# Altium PCB Copy of TempdevAmmy0923.PcbDoc (part 1 of 4) (continued)
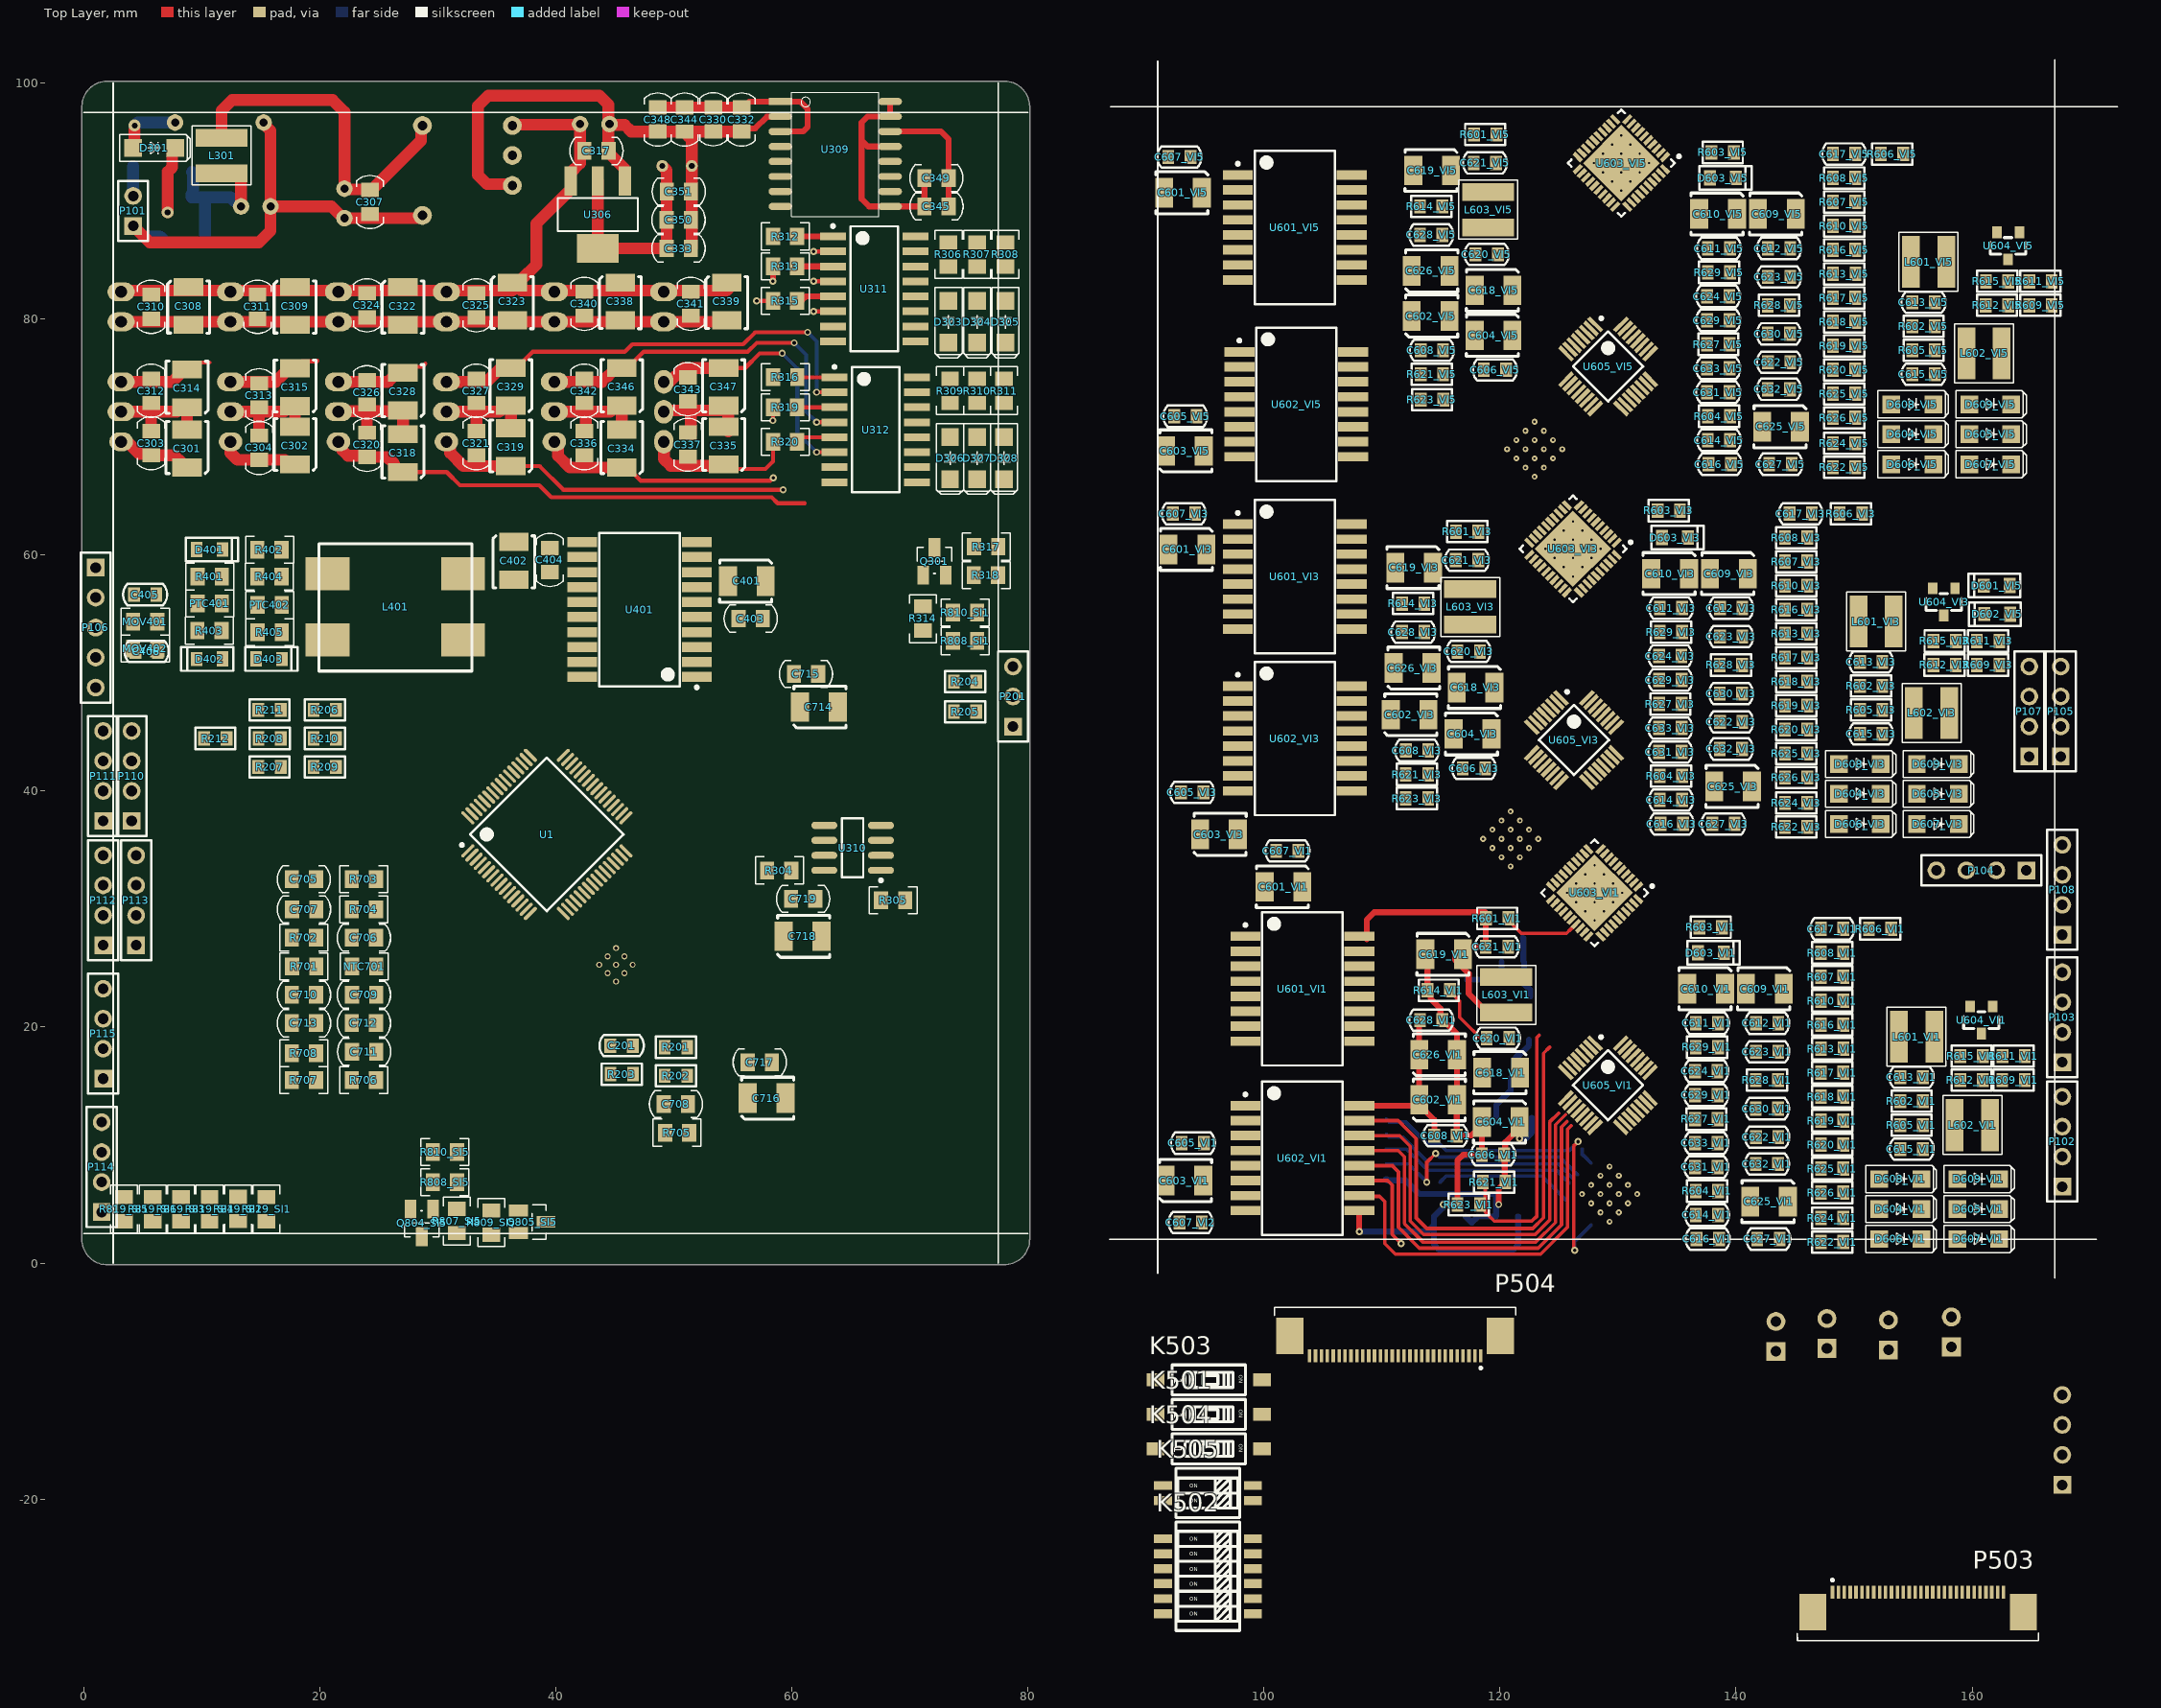
[diagram p0: Top Layer view]
## Components (designator, comment, footprint, x,y, rotation, side; value= is the part's Value field where it differs from the comment) (continued)
C604_VI2 "T494B106M006AHAUTO" CB 122.453,22.733 r90 bottom value=10uF (schematic designator C604)
C604_VI3 "T494B106M006AHAUTO" CB 119.278,44.831 r270 top value=10uF (schematic designator C604)
C604_VI4 "T494B106M006AHAUTO" CB 119.278,88.773 r90 bottom value=10uF (schematic designator C604)
C604_VI5 "T494B106M006AHAUTO" CB 121.056,78.613 r270 top value=10uF (schematic designator C604)
C604_VI6 "T494B106M006AHAUTO" CB 119.872,55.819 r90 bottom value=10uF (schematic designator C604)
C605_VI1 "CC0603KRX7R0BB104" 0603C 93.98,10.16 r0 top (schematic designator C605)
C605_VI2 "CC0603KRX7R0BB104" 0603C 102.682,36.576 r180 bottom (schematic designator C605)
C605_VI3 "CC0603KRX7R0BB104" 0603C 93.919,39.878 r0 top (schematic designator C605)
C605_VI4 "CC0603KRX7R0BB104" 0603C 93.472,91.567 r0 bottom (schematic designator C605)
C605_VI5 "CC0603KRX7R0BB104" 0603C 93.345,71.755 r0 top (schematic designator C605)
C605_VI6 "CC0603KRX7R0BB104" 0603C 93.431,58.486 r0 bottom (schematic designator C605)
C606_VI1 "CC0603KRX7R0BB104" 0603C 119.41,9.178 r180 top (schematic designator C606)
C606_VI2 "CC0603KRX7R0BB104" 0603C 121.097,25.527 r180 bottom (schematic designator C606)
C606_VI3 "CC0603KRX7R0BB104" 0603C 117.795,41.91 r180 top (schematic designator C606)
C606_VI4 "CC0603KRX7R0BB104" 0603C 117.795,91.694 r180 bottom (schematic designator C606)
C606_VI5 "CC0603KRX7R0BB104" 0603C 119.573,75.692 r180 top (schematic designator C606)
C606_VI6 "CC0603KRX7R0BB104" 0603C 118.389,58.74 r180 bottom (schematic designator C606)
C607_VI1 "CC0603KRX7R0BB104" 0603C 101.981,34.925 r180 top (schematic designator C607)
C607_VI2 "CC0603KRX7R0BB104" 0603C 93.792,3.429 r0 top (schematic designator C607)
C607_VI3 "CC0603KRX7R0BB104" 0603C 93.218,63.5 r180 top (schematic designator C607)
C607_VI4 "CC0603KRX7R0BB104" 0603C 93.98,74.676 r0 bottom (schematic designator C607)
C607_VI5 "CC0603KRX7R0BB104" 0603C 92.837,93.726 r180 top (schematic designator C607)
C607_VI6 "CC0603KRX7R0BB104" 0603C 94.041,47.244 r0 bottom (schematic designator C607)
C608_VI1 "CC0603KRX7R0BB104" 0603C 115.382,10.795 r0 top (schematic designator C608)
C608_VI2 "CC0603KRX7R0BB104" 0603C 116.271,24.003 r0 bottom (schematic designator C608)
C608_VI3 "CC0603KRX7R0BB104" 0603C 112.969,43.434 r0 top (schematic designator C608)
C608_VI4 "CC0603KRX7R0BB104" 0603C 112.969,90.17 r0 bottom (schematic designator C608)
C608_VI5 "CC0603KRX7R0BB104" 0603C 114.234,77.343 r0 top (schematic designator C608)
C608_VI6 "CC0603KRX7R0BB104" 0603C 113.563,57.216 r0 bottom (schematic designator C608)
C609_VI1 "T494B476K025ATAUTO" CB 144.043,23.241 r270 top value=47uF (schematic designator C609)
C609_VI2 "T494B476K025ATAUTO" CB 143.916,7.112 r90 bottom value=47uF (schematic designator C609)
C609_VI3 "T494B476K025ATAUTO" CB 140.995,58.42 r270 top value=47uF (schematic designator C609)
C609_VI4 "T494B476K025ATAUTO" CB 144.932,73.025 r90 bottom value=47uF (schematic designator C609)
C609_VI5 "T494B476K025ATAUTO" CB 145.059,88.9 r270 top value=47uF (schematic designator C609)
C609_VI6 "T494B476K025ATAUTO" CB 140.573,42.23 r90 bottom value=47uF (schematic designator C609)
C610_VI1 "T494B476K025ATAUTO" CB 139.065,23.241 r270 top value=47uF (schematic designator C610)
C610_VI2 "T494B476K025ATAUTO" CB 138.938,7.112 r90 bottom value=47uF (schematic designator C610)
C610_VI3 "T494B476K025ATAUTO" CB 136.017,58.42 r270 top value=47uF (schematic designator C610)
C610_VI4 "T494B476K025ATAUTO" CB 139.954,73.025 r90 bottom value=47uF (schematic designator C610)
C610_VI5 "T494B476K025ATAUTO" CB 140.081,88.9 r270 top value=47uF (schematic designator C610)
C610_VI6 "T494B476K025ATAUTO" CB 135.595,42.23 r90 bottom value=47uF (schematic designator C610)
C611_VI1 "CC0603KRX7R0BB104" 0603C 137.541,20.32 r0 top (schematic designator C611)
C611_VI2 "CC0603KRX7R0BB104" 0603C 137.414,10.033 r0 bottom (schematic designator C611)
C611_VI3 "CC0603KRX7R0BB104" 0603C 134.493,55.499 r0 top (schematic designator C611)
C611_VI4 "CC0603KRX7R0BB104" 0603C 138.43,75.946 r0 bottom (schematic designator C611)
C611_VI5 "CC0603KRX7R0BB104" 0603C 138.557,85.979 r0 top (schematic designator C611)
C611_VI6 "CC0603KRX7R0BB104" 0603C 134.071,45.151 r0 bottom (schematic designator C611)
C612_VI1 "CC0603KRX7R0BB104" 0603C 142.637,20.32 r180 top (schematic designator C612)
C612_VI2 "CC0603KRX7R0BB104" 0603C 142.51,10.033 r180 bottom (schematic designator C612)
C612_VI3 "CC0603KRX7R0BB104" 0603C 139.589,55.499 r180 top (schematic designator C612)
C612_VI4 "CC0603KRX7R0BB104" 0603C 143.526,75.946 r180 bottom (schematic designator C612)
C612_VI5 "CC0603KRX7R0BB104" 0603C 143.653,85.979 r180 top (schematic designator C612)
C612_VI6 "CC0603KRX7R0BB104" 0603C 139.167,45.151 r180 bottom (schematic designator C612)
C613_VI1 "CC0603KRX7R7BB225" 0603C 154.874,15.748 r180 top (schematic designator C613)
C613_VI2 "CC0603KRX7R7BB225" 0603C 154.747,14.605 r180 bottom (schematic designator C613)
C613_VI3 "CC0603KRX7R7BB225" 0603C 151.445,50.927 r180 top (schematic designator C613)
C613_VI4 "CC0603KRX7R7BB225" 0603C 155.763,80.518 r180 bottom (schematic designator C613)
C613_VI5 "CC0603KRX7R7BB225" 0603C 155.89,81.407 r180 top (schematic designator C613)
C613_VI6 "CC0603KRX7R7BB225" 0603C 151.404,49.723 r180 bottom (schematic designator C613)
C614_VI1 "CC0603KRX7R9BB223" 0603C 137.541,4.064 r180 top (schematic designator C614)
C614_VI2 "CC0603KRX7R9BB223" 0603C 137.414,26.289 r180 bottom (schematic designator C614)
C614_VI3 "CC0603KRX7R9BB223" 0603C 134.493,39.243 r180 top (schematic designator C614)
C614_VI4 "CC0603KRX7R9BB223" 0603C 138.43,92.202 r180 bottom (schematic designator C614)
C614_VI5 "CC0603KRX7R9BB223" 0603C 138.557,69.723 r180 top (schematic designator C614)
C614_VI6 "CC0603KRX7R9BB223" 0603C 134.071,61.407 r180 bottom (schematic designator C614)
C615_VI1 "CC0603KRX7R7BB225" 0603C 154.874,9.652 r180 top (schematic designator C615)
C615_VI2 "CC0603KRX7R7BB225" 0603C 154.747,20.701 r180 bottom (schematic designator C615)
C615_VI3 "CC0603KRX7R7BB225" 0603C 151.445,44.831 r180 top (schematic designator C615)
C615_VI4 "CC0603KRX7R7BB225" 0603C 155.763,86.614 r180 bottom (schematic designator C615)
C615_VI5 "CC0603KRX7R7BB225" 0603C 155.89,75.311 r180 top (schematic designator C615)
C615_VI6 "CC0603KRX7R7BB225" 0603C 151.404,55.819 r180 bottom (schematic designator C615)
C616_VI1 "" 0603C 137.602,2.032 r0 top (schematic designator C616)
C616_VI2 "" 0603C 137.475,28.321 r0 bottom (schematic designator C616)
C616_VI3 "" 0603C 134.554,37.211 r0 top (schematic designator C616)
C616_VI4 "" 0603C 138.491,94.234 r0 bottom (schematic designator C616)
C616_VI5 "" 0603C 138.618,67.691 r0 top (schematic designator C616)
C616_VI6 "" 0603C 134.132,63.439 r0 bottom (schematic designator C616)
C617_VI1 "CC0603KRX7R9BB472" 0603C 148.143,28.321 r180 top (schematic designator C617)
C617_VI2 "CC0603KRX7R9BB472" 0603C 148.016,2.032 r180 bottom (schematic designator C617)
C617_VI3 "CC0603KRX7R9BB472" 0603C 145.476,63.5 r180 top (schematic designator C617)
C617_VI4 "CC0603KRX7R9BB472" 0603C 149.032,67.945 r180 bottom (schematic designator C617)
C617_VI5 "CC0603KRX7R9BB472" 0603C 149.159,93.98 r180 top (schematic designator C617)
C617_VI6 "CC0603KRX7R9BB472" 0603C 144.673,37.15 r180 bottom (schematic designator C617)
C618_VI1 "T494B106M006AHAUTO" CB 121.691,16.129 r270 top value=10uF (schematic designator C618)
C618_VI2 "T494B106M006AHAUTO" CB 122.453,18.923 r90 bottom value=10uF (schematic designator C618)
C618_VI3 "T494B106M006AHAUTO" CB 119.532,48.768 r270 top value=10uF (schematic designator C618)
C618_VI4 "T494B106M006AHAUTO" CB 119.278,84.963 r90 bottom value=10uF (schematic designator C618)
C618_VI5 "T494B106M006AHAUTO" CB 121.056,82.423 r270 top value=10uF (schematic designator C618)
C618_VI6 "T494B106M006AHAUTO" CB 119.872,52.009 r90 bottom value=10uF (schematic designator C618)
C619_VI1 "T494B106M006AHAUTO" CB 116.865,26.162 r270 top value=10uF (schematic designator C619)
C619_VI2 "T494B106M006AHAUTO" CB 117.602,3.429 r90 bottom value=10uF (schematic designator C619)
C619_VI3 "T494B106M006AHAUTO" CB 114.325,58.928 r270 top value=10uF (schematic designator C619)
C619_VI4 "T494B106M006AHAUTO" CB 114.071,74.803 r90 bottom value=10uF (schematic designator C619)
C619_VI5 "T494B106M006AHAUTO" CB 115.849,92.583 r270 top value=10uF (schematic designator C619)
C619_VI6 "T494B106M006AHAUTO" CB 114.665,41.849 r90 bottom value=10uF (schematic designator C619)
C620_VI1 "CC0603KRX7R0BB104" 0603C 119.827,19.05 r180 top (schematic designator C620)
C620_VI2 "CC0603KRX7R0BB104" 0603C 120.203,15.875 r180 bottom (schematic designator C620)
C620_VI3 "CC0603KRX7R0BB104" 0603C 117.348,51.816 r180 top (schematic designator C620)
C620_VI4 "CC0603KRX7R0BB104" 0603C 117.094,81.915 r180 bottom (schematic designator C620)
C620_VI5 "CC0603KRX7R0BB104" 0603C 118.872,85.471 r180 top (schematic designator C620)
C620_VI6 "CC0603KRX7R0BB104" 0603C 117.688,48.961 r180 bottom (schematic designator C620)
C621_VI1 "CC0603KRX7R0BB104" 0603C 119.745,26.797 r0 top (schematic designator C621)
C621_VI2 "CC0603KRX7R0BB104" 0603C 120.584,3.937 r0 bottom (schematic designator C621)
C621_VI3 "CC0603KRX7R0BB104" 0603C 117.205,59.563 r0 top (schematic designator C621)
C621_VI4 "CC0603KRX7R0BB104" 0603C 116.951,74.168 r0 bottom (schematic designator C621)
C621_VI5 "CC0603KRX7R0BB104" 0603C 118.729,93.218 r0 top (schematic designator C621)
C621_VI6 "CC0603KRX7R0BB104" 0603C 113.604,38.989 r180 bottom (schematic designator C621)
C622_VI1 "" 0603C 142.637,10.668 r180 top (schematic designator C622)
C622_VI2 "" 0603C 142.51,19.685 r180 bottom (schematic designator C622)
C622_VI3 "" 0603C 139.589,45.847 r180 top (schematic designator C622)
C622_VI4 "" 0603C 143.526,85.598 r180 bottom (schematic designator C622)
C622_VI5 "" 0603C 143.653,76.327 r180 top (schematic designator C622)
C622_VI6 "" 0603C 139.167,54.803 r180 bottom (schematic designator C622)
C623_VI1 "" 0603C 142.637,17.907 r180 top (schematic designator C623)
C623_VI2 "" 0603C 142.51,12.446 r180 bottom (schematic designator C623)
C623_VI3 "" 0603C 139.589,53.086 r180 top (schematic designator C623)
C623_VI4 "" 0603C 143.526,78.359 r180 bottom (schematic designator C623)
C623_VI5 "" 0603C 143.653,83.566 r180 top (schematic designator C623)
C623_VI6 "" 0603C 139.167,47.564 r180 bottom (schematic designator C623)
C624_VI1 "CC0603GRNPO9BN301" 0603C 137.475,16.256 r180 top (schematic designator C624)
C624_VI2 "CC0603GRNPO9BN301" 0603C 137.348,14.097 r180 bottom (schematic designator C624)
C624_VI3 "CC0603GRNPO9BN301" 0603C 134.427,51.435 r180 top (schematic designator C624)
C624_VI4 "CC0603GRNPO9BN301" 0603C 138.364,80.01 r180 bottom (schematic designator C624)
C624_VI5 "CC0603GRNPO9BN301" 0603C 138.491,81.915 r180 top (schematic designator C624)
C624_VI6 "CC0603GRNPO9BN301" 0603C 134.005,49.215 r180 bottom (schematic designator C624)
C625_VI1 "T494B106M006AHAUTO" CB 144.399,5.207 r270 top value=10uF (schematic designator C625)
C625_VI2 "T494B106M006AHAUTO" CB 144.272,25.146 r90 bottom value=10uF (schematic designator C625)
C625_VI3 "T494B106M006AHAUTO" CB 141.351,40.386 r270 top value=10uF (schematic designator C625)
C625_VI4 "T494B106M006AHAUTO" CB 145.288,91.059 r90 bottom value=10uF (schematic designator C625)
C625_VI5 "T494B106M006AHAUTO" CB 145.415,70.866 r270 top value=10uF (schematic designator C625)
C625_VI6 "T494B106M006AHAUTO" CB 140.929,60.264 r90 bottom value=10uF (schematic designator C625)
C626_VI1 "T494B106M006AHAUTO" CB 113.157,17.653 r90 top value=10uF (schematic designator C626)
C626_VI2 "T494B106M006AHAUTO" CB 113.792,17.145 r270 bottom value=10uF (schematic designator C626)
C626_VI3 "T494B106M006AHAUTO" CB 110.998,50.419 r90 top value=10uF (schematic designator C626)
C626_VI4 "T494B106M006AHAUTO" CB 110.744,83.312 r270 bottom value=10uF (schematic designator C626)
C626_VI5 "T494B106M006AHAUTO" CB 112.522,84.074 r90 top value=10uF (schematic designator C626)
C626_VI6 "T494B106M006AHAUTO" CB 111.338,50.358 r270 bottom value=10uF (schematic designator C626)
C627_VI1 "CC0603KRX7R0BB104" 0603C 142.748,2.032 r180 top (schematic designator C627)
C627_VI2 "CC0603KRX7R0BB104" 0603C 142.621,28.321 r180 bottom (schematic designator C627)
C627_VI3 "CC0603KRX7R0BB104" 0603C 138.938,37.211 r180 top (schematic designator C627)
C627_VI4 "CC0603KRX7R0BB104" 0603C 143.637,94.234 r180 bottom (schematic designator C627)
C627_VI5 "CC0603KRX7R0BB104" 0603C 143.764,67.691 r180 top (schematic designator C627)
C627_VI6 "CC0603KRX7R0BB104" 0603C 139.278,63.439 r180 bottom (schematic designator C627)
C628_VI1 "CC0603KRX7R0BB104" 0603C 114.173,20.574 r0 top (schematic designator C628)
C628_VI2 "CC0603KRX7R0BB104" 0603C 114.62,13.97 r0 bottom (schematic designator C628)
C628_VI3 "CC0603KRX7R0BB104" 0603C 112.649,53.467 r0 top (schematic designator C628)
C628_VI4 "CC0603KRX7R0BB104" 0603C 112.395,80.264 r0 bottom (schematic designator C628)
C628_VI5 "CC0603KRX7R0BB104" 0603C 114.173,87.122 r0 top (schematic designator C628)
C628_VI6 "CC0603KRX7R0BB104" 0603C 112.989,47.31 r0 bottom (schematic designator C628)
C629_VI1 "CC0603FRNPO9BN151" 0603C 137.48,14.224 r180 top (schematic designator C629)
C629_VI2 "CC0603FRNPO9BN151" 0603C 137.353,16.129 r180 bottom (schematic designator C629)
C629_VI3 "CC0603FRNPO9BN151" 0603C 134.432,49.403 r180 top (schematic designator C629)
C629_VI4 "CC0603FRNPO9BN151" 0603C 138.369,82.042 r180 bottom (schematic designator C629)
C629_VI5 "CC0603FRNPO9BN151" 0603C 138.496,79.883 r180 top (schematic designator C629)
C629_VI6 "CC0603FRNPO9BN151" 0603C 134.01,51.247 r180 bottom (schematic designator C629)
C630_VI1 "CC0603KRX7R7BB105" 0603C 142.621,13.081 r180 top (schematic designator C630)
C630_VI2 "CC0603KRX7R7BB105" 0603C 142.494,17.272 r180 bottom (schematic designator C630)
C630_VI3 "CC0603KRX7R7BB105" 0603C 139.573,48.26 r180 top (schematic designator C630)
C630_VI4 "CC0603KRX7R7BB105" 0603C 143.51,83.185 r180 bottom (schematic designator C630)
C630_VI5 "CC0603KRX7R7BB105" 0603C 143.637,78.74 r180 top (schematic designator C630)
C630_VI6 "CC0603KRX7R7BB105" 0603C 139.151,52.39 r180 bottom (schematic designator C630)
C631_VI1 "AC0603KRX7R8BB472" 0603C 137.48,8.128 r180 top (schematic designator C631)
C631_VI2 "AC0603KRX7R8BB472" 0603C 137.353,22.225 r180 bottom (schematic designator C631)
C631_VI3 "AC0603KRX7R8BB472" 0603C 134.432,43.307 r180 top (schematic designator C631)
C631_VI4 "AC0603KRX7R8BB472" 0603C 138.369,88.138 r180 bottom (schematic designator C631)
C631_VI5 "AC0603KRX7R8BB472" 0603C 138.496,73.787 r180 top (schematic designator C631)
C631_VI6 "AC0603KRX7R8BB472" 0603C 134.01,57.343 r180 bottom (schematic designator C631)
C632_VI1 "CC0603KRX7R7BB105" 0603C 142.621,8.382 r0 top (schematic designator C632)
C632_VI2 "CC0603KRX7R7BB105" 0603C 142.494,21.971 r0 bottom (schematic designator C632)
C632_VI3 "CC0603KRX7R7BB105" 0603C 139.573,43.561 r0 top (schematic designator C632)
C632_VI4 "CC0603KRX7R7BB105" 0603C 143.51,87.884 r0 bottom (schematic designator C632)
C632_VI5 "CC0603KRX7R7BB105" 0603C 143.637,74.041 r0 top (schematic designator C632)
C632_VI6 "CC0603KRX7R7BB105" 0603C 139.151,57.089 r0 bottom (schematic designator C632)
C633_VI1 "CC0603KRX7R9BB223" 0603C 137.48,10.16 r0 top (schematic designator C633)
C633_VI2 "CC0603KRX7R9BB223" 0603C 137.353,20.193 r0 bottom (schematic designator C633)
C633_VI3 "CC0603KRX7R9BB223" 0603C 134.432,45.339 r0 top (schematic designator C633)
C633_VI4 "CC0603KRX7R9BB223" 0603C 138.369,86.106 r0 bottom (schematic designator C633)
C633_VI5 "CC0603KRX7R9BB223" 0603C 138.496,75.819 r0 top (schematic designator C633)
C633_VI6 "CC0603KRX7R9BB223" 0603C 134.01,55.311 r0 bottom (schematic designator C633)
C701 "T494B106M006AHAUTO" CB 72.771,47.609 r0 bottom value=10uF
C702 "T494B106M006AHAUTO" CB 72.771,45.196 r180 bottom value=10uF
C703 "CC0805MRX7R9BB104" 0805C 69.596,50.784 r90 bottom value=0.1uF
C704 "CC0805MRX7R9BB104" 0805C 69.596,42.148 r270 bottom value=0.1uF
C705 "CC0805MRX7R9BB103" 0805C 18.653,32.512 r0 top value=0.01uF
C706 "CC0805MRX7R9BB104" 0805C 23.749,27.559 r180 top value=0.1uF
C707 "CC0805MRX7R9BB103" 0805C 18.669,29.972 r0 top value=0.01uF
C708 "CC0805MRX7R9BB104" 0805C 50.181,13.462 r180 top value=0.1uF
C709 "CC0805MRX7R9BB104" 0805C 23.749,22.733 r0 top value=0.1uF
C710 "CC0805MRX7R9BB104" 0805C 18.669,22.733 r180 top value=0.1uF
C711 "CC0805MRX7R9BB103" 0805C 23.765,17.907 r180 top value=0.01uF
C712 "CC0805MRX7R9BB104" 0805C 23.749,20.32 r180 top value=0.1uF
C713 "CC0805MRX7R9BB103" 0805C 18.669,20.32 r180 top value=0.01uF
C714 "T494B106M006AHAUTO" CB 60.69,47.117 r90 top value=10uF
C715 "CC0805MRX7R9BB104" 0805C 61.198,49.911 r0 top value=0.1uF
C716 "T494B106M006AHAUTO" CB 56.261,13.97 r90 top value=10uF
C717 "CC0805MRX7R9BB104" 0805C 57.277,17.018 r0 top value=0.1uF
C718 "T494B106M006AHAUTO" CB 59.309,27.686 r90 top value=10uF
C719 "CC0805MRX7R9BB104" 0805C 60.96,30.861 r0 top value=0.1uF
C801_SI1 "CC0805MRX7R9BB103" 0805C 44.704,61.468 r0 bottom value=0.01uF (schematic designator C801)
C801_SI2 "CC0805MRX7R9BB103" 0805C 3.794,57.912 r0 bottom value=0.01uF (schematic designator C801)
C801_SI3 "CC0805MRX7R9BB103" 0805C 8.636,35.814 r0 bottom value=0.01uF (schematic designator C801)
C801_SI4 "CC0805MRX7R9BB103" 0805C 6.969,47.371 r0 bottom value=0.01uF (schematic designator C801)
C801_SI5 "CC0805MRX7R9BB103" 0805C 5.207,10.287 r0 bottom value=0.01uF (schematic designator C801)
C801_SI6 "CC0805MRX7R9BB103" 0805C 5.334,23.368 r0 bottom value=0.01uF (schematic designator C801)
C802_SI1 "CC0805MRX7R9BB103" 0805C 58.563,57.531 r180 bottom value=0.01uF (schematic designator C802)
C802_SI2 "CC0805MRX7R9BB103" 0805C 16.256,57.15 r180 bottom value=0.01uF (schematic designator C802)
C802_SI3 "CC0805MRX7R9BB103" 0805C 22.671,32.263 r180 bottom value=0.01uF (schematic designator C802)
C802_SI4 "CC0805MRX7R9BB103" 0805C 20.463,44.45 r180 bottom value=0.01uF (schematic designator C802)
C802_SI5 "CC0805MRX7R9BB103" 0805C 19.574,7.239 r180 bottom value=0.01uF (schematic designator C802)
C802_SI6 "CC0805MRX7R9BB103" 0805C 19.574,20.193 r180 bottom value=0.01uF (schematic designator C802)
C803_SI1 "CC0805MRX7R9BB103" 0805C 58.563,55.372 r0 bottom value=0.01uF (schematic designator C803)
C803_SI2 "CC0805MRX7R9BB103" 0805C 16.256,54.737 r0 bottom value=0.01uF (schematic designator C803)
C803_SI3 "CC0805MRX7R9BB103" 0805C 22.655,29.85 r0 bottom value=0.01uF (schematic designator C803)
C803_SI4 "CC0805MRX7R9BB103" 0805C 20.447,42.164 r0 bottom value=0.01uF (schematic designator C803)
C803_SI5 "CC0805MRX7R9BB103" 0805C 19.558,4.953 r0 bottom value=0.01uF (schematic designator C803)
C803_SI6 "CC0805MRX7R9BB103" 0805C 19.558,17.907 r0 bottom value=0.01uF (schematic designator C803)
C804_SI1 "CC0805MRX7R9BB104" 0805C 58.547,53.213 r0 bottom value=0.1uF (schematic designator C804)
C804_SI2 "CC0805MRX7R9BB104" 0805C 16.256,52.451 r0 bottom value=0.1uF (schematic designator C804)
C804_SI3 "CC0805MRX7R9BB104" 0805C 22.655,27.564 r0 bottom value=0.1uF (schematic designator C804)
C804_SI4 "CC0805MRX7R9BB104" 0805C 20.447,39.878 r0 bottom value=0.1uF (schematic designator C804)
C804_SI5 "CC0805MRX7R9BB104" 0805C 19.558,2.54 r0 bottom value=0.1uF (schematic designator C804)
C804_SI6 "CC0805MRX7R9BB104" 0805C 19.558,15.621 r0 bottom value=0.1uF (schematic designator C804)
C805_SI1 "CC0805MRX7R9BB103" 0805C 63.119,53.213 r0 bottom value=0.01uF (schematic designator C805)
C805_SI2 "CC0805MRX7R9BB103" 0805C 20.828,52.451 r0 bottom value=0.01uF (schematic designator C805)
C805_SI3 "CC0805MRX7R9BB103" 0805C 27.178,27.559 r0 bottom value=0.01uF (schematic designator C805)
C805_SI4 "CC0805MRX7R9BB103" 0805C 25.146,39.878 r0 bottom value=0.01uF (schematic designator C805)
C805_SI5 "CC0805MRX7R9BB103" 0805C 24.13,2.54 r0 bottom value=0.01uF (schematic designator C805)
C805_SI6 "CC0805MRX7R9BB103" 0805C 24.13,15.621 r0 bottom value=0.01uF (schematic designator C805)
D201 "BAT54WS" SOD323 69.993,14.859 r0 bottom
D202 "BAT54WS" SOD323 69.993,12.573 r0 bottom
D203 "BAT54WS" SOD323 69.993,10.287 r0 bottom
D204 "BAT54WS" SOD323 69.993,3.556 r0 bottom
D205 "BAT54WS" SOD323 69.993,8.001 r0 bottom
D206 "BAT54WS" SOD323 69.993,5.715 r0 bottom
D301 "1N5819HW" SOD123 5.969,94.488 r0 top
D302 "1N5819HW" SOD123 8.509,86.741 r0 bottom
D303 "BAT41" SOD123 73.279,79.756 r270 top
D304 "BAT41" SOD123 75.692,79.756 r270 top
D305 "BAT41" SOD123 78.105,79.756 r270 top
D306 "BAT41" SOD123 73.406,68.199 r270 top
D307 "BAT41" SOD123 75.692,68.199 r270 top
D308 "BAT41" SOD123 77.978,68.199 r270 top
D401 "SD15CT1" SOD323 10.668,60.452 r180 top
D402 "SD15CT1" SOD323 10.668,51.181 r0 top
D403 "SD15CT1" SOD323 15.705,51.181 r180 top
D501 "SD15CT1" SOD323 163.492,-18.415 r180 bottom
D502 "BAT54WS" SOD323 164.508,-30.861 r0 bottom
D503 "SD15CT1" SOD323 163.873,-16.002 r0 bottom
D504 "BZX584C3V3" SOD523 159.474,-28.575 r0 bottom
D505 "BZX584C3V3" SOD523 155.156,-28.575 r180 bottom
D506 "SD15CT1" SOD323 163.83,-13.462 r0 bottom
D507 "BAT54WS" SOD323 158.793,-18.288 r180 bottom
D508 "150080GS75000" LED-3 158.242,-5.842 r270 bottom
D509 "150080GS75000" LED-3 152.908,-6.096 r270 bottom
D510 "150080GS75000" LED-3 147.701,-5.969 r270 bottom
D511 "150080GS75000" LED-3 143.383,-6.223 r270 bottom
D512 "BAT54WS" SOD323 138.049,-4.953 r180 bottom
D513 "BAT54WS" SOD323 122.301,-28.575 r90 bottom
D514 "BAT54WS" SOD323 138.006,-12.573 r180 bottom
D601_VI1 "SD15CT1" SOD323 163.619,4.699 r0 bottom (schematic designator D601)
D601_VI2 "SD15CT1" SOD323 162.052,20.193 r0 bottom (schematic designator D601)
D601_VI3 "SD15CT1" SOD323 161.079,35.306 r0 bottom (schematic designator D601)
D601_VI4 "SD15CT1" SOD323 166.286,53.848 r0 bottom (schematic designator D601)
D601_VI5 "SD15CT1" SOD323 162.095,57.404 r0 top (schematic designator D601)
D601_VI6 "SD15CT1" SOD323 166.581,40.259 r0 bottom (schematic designator D601)
D602_VI1 "SD15CT1" SOD323 163.66,2.286 r0 bottom (schematic designator D602)
D602_VI2 "SD15CT1" SOD323 162.095,17.907 r0 bottom (schematic designator D602)
D602_VI3 "SD15CT1" SOD323 161.079,37.592 r0 bottom (schematic designator D602)
D602_VI4 "SD15CT1" SOD323 166.327,56.261 r0 bottom (schematic designator D602)
D602_VI5 "SD15CT1" SOD323 162.136,54.991 r0 top (schematic designator D602)
D602_VI6 "SD15CT1" SOD323 166.581,37.973 r0 bottom (schematic designator D602)
D603_VI1 "SD15CT1" SOD323 137.879,26.289 r180 top (schematic designator D603)
D603_VI2 "SD15CT1" SOD323 137.752,4.064 r180 bottom (schematic designator D603)
D603_VI3 "SD15CT1" SOD323 134.831,61.468 r180 top (schematic designator D603)
D603_VI4 "SD15CT1" SOD323 138.768,69.977 r180 bottom (schematic designator D603)
D603_VI5 "SD15CT1" SOD323 138.895,91.948 r180 top (schematic designator D603)
D603_VI6 "SD15CT1" SOD323 134.409,39.182 r180 bottom (schematic designator D603)
D604_VI1 "1N5819HW" SOD123 153.924,4.572 r0 top (schematic designator D604)
D604_VI2 "1N5819HW" SOD123 153.797,25.781 r0 bottom (schematic designator D604)
D604_VI3 "1N5819HW" SOD123 150.495,39.751 r0 top (schematic designator D604)
D604_VI4 "1N5819HW" SOD123 154.813,91.694 r0 bottom (schematic designator D604)
D604_VI5 "1N5819HW" SOD123 154.94,70.231 r0 top (schematic designator D604)
D604_VI6 "1N5819HW" SOD123 150.454,60.899 r0 bottom (schematic designator D604)
D605_VI1 "1N5819HW" SOD123 160.528,4.572 r0 top (schematic designator D605)
D605_VI2 "1N5819HW" SOD123 160.401,25.781 r0 bottom (schematic designator D605)
D605_VI3 "1N5819HW" SOD123 157.099,39.751 r0 top (schematic designator D605)
D605_VI4 "1N5819HW" SOD123 161.417,91.694 r0 bottom (schematic designator D605)
D605_VI5 "1N5819HW" SOD123 161.544,70.231 r0 top (schematic designator D605)
D605_VI6 "1N5819HW" SOD123 157.058,60.899 r0 bottom (schematic designator D605)
D606_VI1 "1N5819HW" SOD123 153.924,2.032 r0 top (schematic designator D606)
D606_VI2 "1N5819HW" SOD123 153.797,28.321 r0 bottom (schematic designator D606)
D606_VI3 "1N5819HW" SOD123 150.495,37.211 r0 top (schematic designator D606)
D606_VI4 "1N5819HW" SOD123 154.813,94.234 r0 bottom (schematic designator D606)
D606_VI5 "1N5819HW" SOD123 154.94,67.691 r0 top (schematic designator D606)
D606_VI6 "1N5819HW" SOD123 150.454,63.439 r0 bottom (schematic designator D606)
D607_VI1 "1N5819HW" SOD123 160.528,2.032 r0 top (schematic designator D607)
D607_VI2 "1N5819HW" SOD123 160.401,28.321 r0 bottom (schematic designator D607)
D607_VI3 "1N5819HW" SOD123 157.099,37.211 r0 top (schematic designator D607)
D607_VI4 "1N5819HW" SOD123 161.417,94.234 r0 bottom (schematic designator D607)
D607_VI5 "1N5819HW" SOD123 161.544,67.691 r0 top (schematic designator D607)
D607_VI6 "1N5819HW" SOD123 157.058,63.439 r0 bottom (schematic designator D607)
D608_VI1 "1N5819HW" SOD123 153.924,7.112 r0 top (schematic designator D608)
D608_VI2 "1N5819HW" SOD123 153.797,23.241 r0 bottom (schematic designator D608)
D608_VI3 "1N5819HW" SOD123 150.495,42.291 r0 top (schematic designator D608)
D608_VI4 "1N5819HW" SOD123 154.813,89.154 r0 bottom (schematic designator D608)
D608_VI5 "1N5819HW" SOD123 154.94,72.771 r0 top (schematic designator D608)
D608_VI6 "1N5819HW" SOD123 150.454,58.359 r0 bottom (schematic designator D608)
D609_VI1 "1N5819HW" SOD123 160.528,7.112 r0 top (schematic designator D609)
D609_VI2 "1N5819HW" SOD123 160.401,23.241 r0 bottom (schematic designator D609)
D609_VI3 "1N5819HW" SOD123 157.099,42.291 r0 top (schematic designator D609)
D609_VI4 "1N5819HW" SOD123 161.417,89.154 r0 bottom (schematic designator D609)
D609_VI5 "1N5819HW" SOD123 161.544,72.771 r0 top (schematic designator D609)
D609_VI6 "1N5819HW" SOD123 157.058,58.359 r0 bottom (schematic designator D609)
D801_SI1 "SD03C" SOD323 44.788,59.309 r180 bottom (schematic designator D801)
D801_SI2 "SD03C" SOD323 3.767,60.198 r180 bottom (schematic designator D801)
D801_SI3 "SD03C" SOD323 8.552,33.528 r180 bottom (schematic designator D801)
D801_SI4 "SD03C" SOD323 7.053,45.085 r180 bottom (schematic designator D801)
D801_SI5 "SD03C" SOD323 5.291,7.874 r180 bottom (schematic designator D801)
D801_SI6 "SD03C" SOD323 5.418,21.082 r180 bottom (schematic designator D801)
D802_SI1 "SD03C" SOD323 53.594,55.372 r180 bottom (schematic designator D802)
D802_SI2 "SD03C" SOD323 11.641,54.737 r180 bottom (schematic designator D802)
D802_SI3 "SD03C" SOD323 17.864,29.845 r180 bottom (schematic designator D802)
D802_SI4 "SD03C" SOD323 15.832,42.164 r180 bottom (schematic designator D802)
D802_SI5 "SD03C" SOD323 14.816,4.826 r180 bottom (schematic designator D802)
D802_SI6 "SD03C" SOD323 14.816,17.907 r180 bottom (schematic designator D802)
D803_SI1 "SD03C" SOD323 49.36,55.372 r0 bottom (schematic designator D803)
D803_SI2 "SD03C" SOD323 7.704,54.737 r0 bottom (schematic designator D803)
D803_SI3 "SD03C" SOD323 13.292,29.845 r0 bottom (schematic designator D803)
D803_SI4 "SD03C" SOD323 11.514,42.164 r0 bottom (schematic designator D803)
D803_SI5 "SD03C" SOD323 10.371,4.826 r0 bottom (schematic designator D803)
D803_SI6 "SD03C" SOD323 10.244,17.907 r0 bottom (schematic designator D803)
D804_SI1 "SD03C" SOD323 44.831,57.15 r0 bottom (schematic designator D804)
D804_SI2 "SD03C" SOD323 3.726,54.737 r0 bottom (schematic designator D804)
D804_SI3 "SD03C" SOD323 8.847,29.845 r0 bottom (schematic designator D804)
D804_SI4 "SD03C" SOD323 7.139,42.164 r0 bottom (schematic designator D804)
D804_SI5 "SD03C" SOD323 5.25,4.826 r0 bottom (schematic designator D804)
D804_SI6 "SD03C" SOD323 5.545,17.907 r0 bottom (schematic designator D804)
Designator6 "Comment" 3-1734839-0 76.913,41.245 r270 bottom
Designator7 "Comment" 3-1734839-0 76.962,21.292 r270 bottom
Designator8 "Comment" 3-1734839-0 93.472,23.459 r90 bottom
Designator9 "Comment" 3-1734839-0 93.472,2.402 r90 bottom
F301 "Fuse 1" 0805R 4.191,93.98 r90 bottom
K501 "Micro switch-2P" TO-01 90.834,-12.887 r0 top
K502 "1.27-6P-TPHS" 1.27-6P-TPHS 91.44,-23.406 r0 top
K503 "Micro switch-2P" TO-01 90.834,-9.966 r0 top
K504 "Micro switch-2P" TO-01 90.834,-15.808 r0 top
K505 "Micro switch-4P" DSHP02TSGET 91.44,-18.923 r0 top
L301 "VLS4012HBX-150M" VSL4012 11.684,93.853 r180 top value=15uH
L401 "Common Inductor" ACM1513-改版 32.131,58.42 r180 top
L501 "VLS4012HBX-150M" VSL4012 164.06,-24.638 r90 bottom value=47uH
L502 "VLS4012HBX-150M" VSL4012 164.108,-7.112 r90 bottom value=47uH
L503 "VLS4012HBX-150M" VSL4012 122.936,-7.977 r0 bottom value=10uH
L504 "VLS4012HBX-150M" VSL4012 122.936,-14.732 r0 bottom value=10uH
L601_VI1 "VLS4012HBX-150M" VSL4012 155.297,19.177 r90 top value=47uH (schematic designator L601)
L601_VI2 "VLS4012HBX-150M" VSL4012 155.17,11.176 r270 bottom value=47uH (schematic designator L601)
L601_VI3 "VLS4012HBX-150M" VSL4012 151.868,54.356 r90 top value=47uH (schematic designator L601)
L601_VI4 "VLS4012HBX-150M" VSL4012 156.186,77.089 r270 bottom value=47uH (schematic designator L601)
L601_VI5 "VLS4012HBX-150M" VSL4012 156.313,84.836 r90 top value=47uH (schematic designator L601)
L601_VI6 "VLS4012HBX-150M" VSL4012 151.827,46.294 r270 bottom value=47uH (schematic designator L601)
L602_VI1 "VLS4012HBX-150M" VSL4012 160.02,11.684 r270 top value=47uH (schematic designator L602)
L602_VI2 "VLS4012HBX-150M" VSL4012 159.869,18.923 r90 bottom value=47uH (schematic designator L602)
L602_VI3 "VLS4012HBX-150M" VSL4012 156.567,46.609 r270 top value=47uH (schematic designator L602)
L602_VI4 "VLS4012HBX-150M" VSL4012 161.036,85.09 r90 bottom value=47uH (schematic designator L602)
L602_VI5 "VLS4012HBX-150M" VSL4012 161.012,77.089 r270 top value=47uH (schematic designator L602)
L602_VI6 "VLS4012HBX-150M" VSL4012 156.526,54.041 r90 bottom value=47uH (schematic designator L602)
L603_VI1 "VLS4012HBX-150M" VSL4012 120.523,22.733 r0 top value=47uH (schematic designator L603)
L603_VI2 "VLS4012HBX-150M" VSL4012 121.182,12.319 r270 bottom value=47uH (schematic designator L603)
L603_VI3 "VLS4012HBX-150M" VSL4012 117.475,55.602 r0 top value=47uH (schematic designator L603)
L603_VI4 "VLS4012HBX-150M" VSL4012 117.221,78.129 r0 bottom value=47uH (schematic designator L603)
L603_VI5 "VLS4012HBX-150M" VSL4012 118.999,89.257 r0 top value=47uH (schematic designator L603)
L603_VI6 "VLS4012HBX-150M" VSL4012 117.815,45.175 r0 bottom value=47uH (schematic designator L603)
L701 "VLS4012HBX-150M" 0805R 69.596,46.466 r270 bottom value=47uH
L702 "VLS4012HBX-150M" 0805R 75.946,46.339 r270 bottom value=47uH
MOV401 "" 0805R 5.223,54.356 r180 top
MOV402 "" 0805R 5.223,52.07 r180 top
NTC701 "NTCS0805E3103JHT" 0805R 23.765,25.146 r180 top
P101 "Header 2" HDR1X2 4.191,87.884 r90 top
P102 "Header 4" HDR1X4 167.64,6.477 r90 top
P103 "Header 4" HDR1X4 167.64,17.018 r90 top
P104 "Header 4" HDR1X4 164.592,33.274 r180 top
P105 "Header 4" HDR1X4 167.513,42.926 r90 top
P106 "Header 5" HDR1X5 1.016,58.928 r270 top
P107 "Header 4" HDR1X4 164.846,42.926 r90 top
P108 "Header 4" HDR1X4 167.64,27.813 r90 top
P110 "Header 4" HDR1X4 4.064,37.465 r90 top
P111 "Header 4" HDR1X4 1.651,37.465 r90 top
P112 "Header 4" HDR1X4 1.651,26.924 r90 top
P113 "Header 4" HDR1X4 4.445,26.924 r90 top
P114 "Header 4" HDR1X4 1.524,4.318 r90 top
P115 "Header 4" HDR1X4 1.651,15.621 r90 top
P201 "Header 3" HDR1X3 78.74,45.466 r90 top
P501 "Header 4" HDR1X4 167.64,-18.796 r90 bottom
P502 "FPC30PIN" 3-1734839-0 65.33,3.302 r180 bottom
P503 "FPC30PIN" 3-1734839-0 146.528,-29.669 r0 top
P504 "FPC30PIN" 3-1734839-0 120.011,-6.096 r180 top
PTC401 "NTCS0805E3103JHT" 0805R 10.668,55.88 r0 top
PTC402 "NTCS0805E3103JHT" 0805R 15.764,55.753 r180 top
Q301 "MMSS8050" SOT-23(SS8050) 71.125,58.293 r0 top
Q501 "MMSS8050" SOT-23 157.475,-9.398 r0 bottom
Q502 "MMSS8050" SOT-23 152.527,-13.97 r90 bottom
Q503 "MMSS8050" SOT-23 147.701,-13.589 r90 bottom
Q504 "MMSS8050" SOT-23 142.445,-13.782 r90 bottom
Q801_SI1 "MMSS8550" SOT-23 59.69,62.291 r270 bottom (schematic designator Q801)
Q801_SI2 "MMSS8550" SOT-23 17.272,61.463 r270 bottom (schematic designator Q801)
Q801_SI3 "MMSS8550" SOT-23 23.671,36.642 r270 bottom (schematic designator Q801)
Q801_SI4 "MMSS8550" SOT-23 21.59,49.083 r270 bottom (schematic designator Q801)
Q801_SI5 "MMSS8550" SOT-23 20.701,11.618 r270 bottom (schematic designator Q801)
Q801_SI6 "MMSS8550" SOT-23 20.701,24.572 r270 bottom (schematic designator Q801)
Q802_SI1 "MMSS8550" SOT-23 68.707,55.499 r270 bottom (schematic designator Q802)
Q802_SI2 "MMSS8550" SOT-23 26.416,54.234 r270 bottom (schematic designator Q802)
Q802_SI3 "MMSS8550" SOT-23 33.147,28.321 r270 bottom (schematic designator Q802)